# KiCad board E-Fidget V3.kicad_pcb
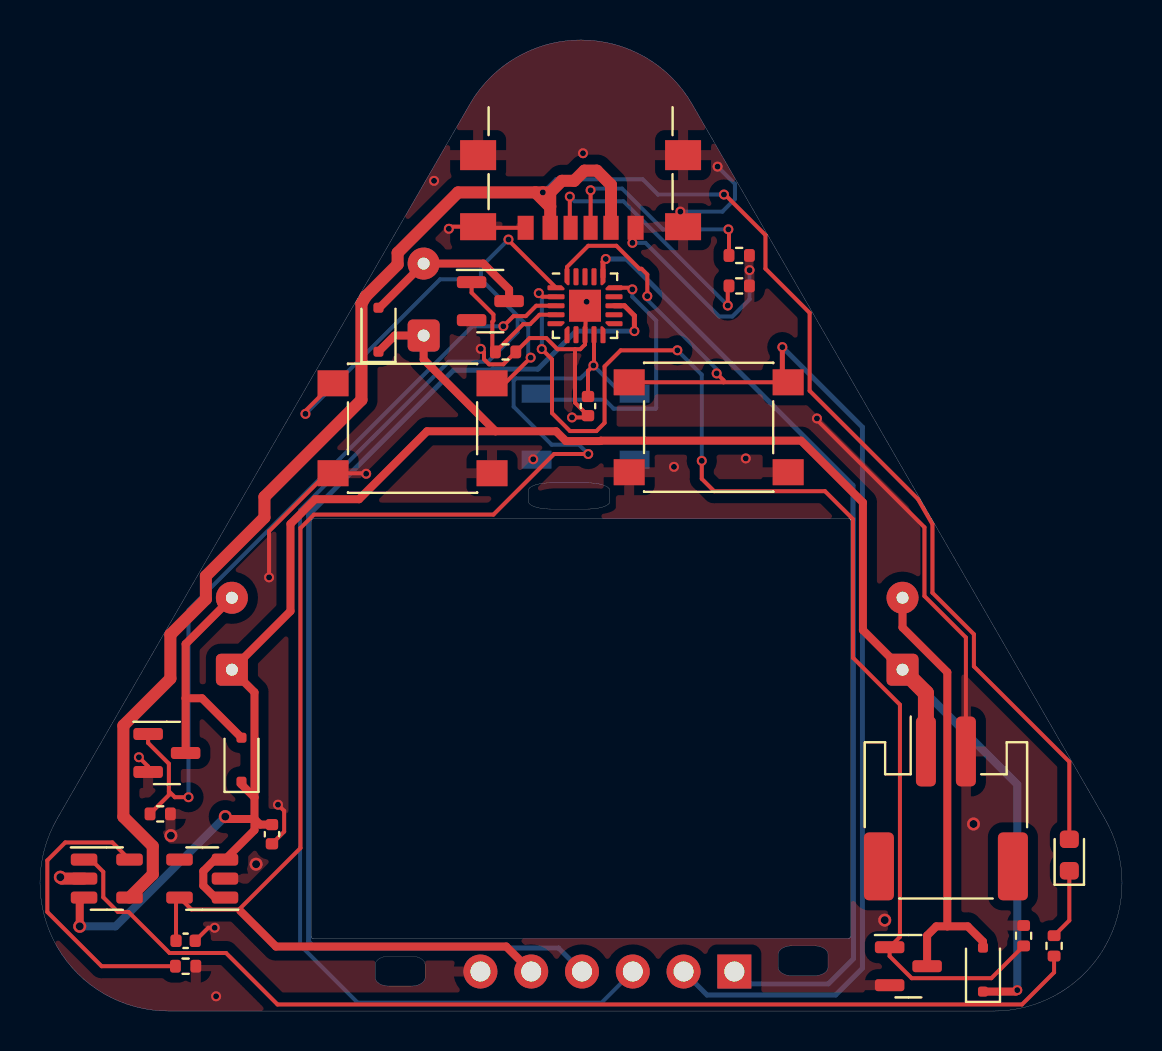
[diagram p0: board, top side]
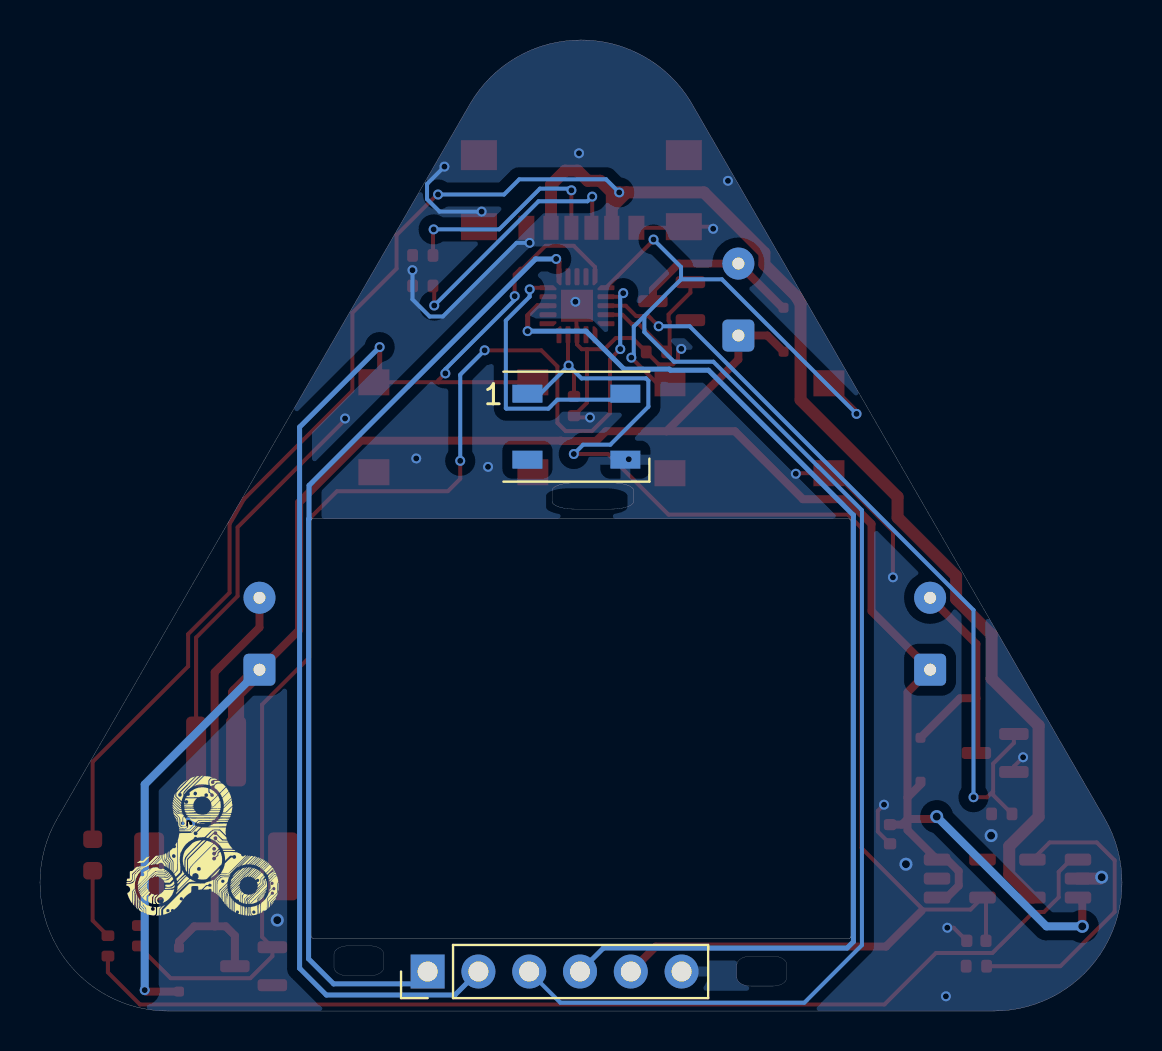
[diagram p1: board, bottom side, seen from below]

Outline 54.11 x 48.58 mm; copper layers: Top, Bottom. Coordinates in mm from the lower left corner of the outline.
Outline path: 0,6.42 0.01,6.83 0.05,7.25 0.12,7.66 0.21,8.06 0.34,8.47 0.48,8.86 0.66,9.25 0.86,9.62 5.62,17.88 21.5,45.38 21.61,45.56 21.73,45.74 21.85,45.91 21.97,46.08 22.11,46.25 22.24,46.41 22.38,46.56 22.53,46.71 22.68,46.86 22.83,47 22.99,47.13 23.16,47.26 23.32,47.39 23.5,47.5 23.67,47.62 23.85,47.72 24.03,47.82 24.21,47.92 24.4,48.01 24.59,48.09 24.79,48.17 24.98,48.24 25.18,48.3 25.38,48.36 25.59,48.41 25.79,48.46 26,48.5 26.21,48.53 26.42,48.55 26.63,48.57 26.84,48.58 27.06,48.58 27.48,48.57 27.91,48.53 28.32,48.46 28.73,48.36 29.13,48.24 29.52,48.09 29.9,47.92 30.27,47.72 30.62,47.5 30.96,47.26 31.28,47 31.58,46.71 31.87,46.41 32.14,46.08 32.39,45.74 32.61,45.38 37.38,37.13 53.25,9.63 53.46,9.25 53.63,8.86 53.78,8.47 53.9,8.06 53.99,7.66 54.06,7.25 54.1,6.83 54.11,6.42 54.1,6 54.06,5.59 53.99,5.18 53.9,4.77 53.78,4.37 53.63,3.97 53.46,3.59 53.25,3.21 53.14,3.02 53.03,2.85 52.91,2.67 52.78,2.5 52.65,2.34 52.51,2.18 52.37,2.02 52.22,1.87 52.07,1.72 51.92,1.58 51.76,1.45 51.6,1.32 51.43,1.2 51.26,1.08 51.08,0.97 50.91,0.86 50.72,0.76 50.54,0.66 50.35,0.57 50.16,0.49 49.97,0.41 49.77,0.34 49.57,0.28 49.37,0.22 49.17,0.17 48.96,0.13 48.76,0.09 48.55,0.06 48.34,0.03 48.12,0.01 47.91,0 47.7,0 38.17,0 6.42,0 5.99,0.01 5.57,0.06 5.15,0.13 4.74,0.22 4.34,0.34 3.95,0.49 3.57,0.66 3.21,0.86 2.86,1.08 2.52,1.32 2.19,1.58 1.89,1.87 1.6,2.18 1.33,2.5 1.09,2.85 0.86,3.21 0.66,3.59 0.48,3.97 0.34,4.37 0.21,4.77 0.12,5.18 0.05,5.59 0.01,6 0,6.42 ; 13.56,24.5 13.56,24.52 13.56,24.54 13.57,24.55 13.58,24.57 13.59,24.59 13.61,24.6 13.62,24.61 13.64,24.62 13.66,24.63 13.67,24.63 13.69,24.63 40.45,24.63 40.47,24.63 40.49,24.62 40.51,24.61 40.53,24.6 40.54,24.58 40.55,24.57 40.55,24.55 40.56,24.53 40.56,3.77 40.56,3.75 40.55,3.73 40.54,3.71 40.53,3.69 40.52,3.68 40.51,3.66 40.49,3.65 40.47,3.64 40.46,3.64 40.44,3.63 40.42,3.63 13.66,3.63 13.64,3.63 13.62,3.64 13.6,3.65 13.59,3.66 13.57,3.68 13.57,3.7 13.56,3.72 13.56,3.74 13.56,24.5 ; 16.77,2.32 16.77,2.34 16.77,2.36 16.77,2.38 16.78,2.4 16.79,2.42 16.8,2.44 16.81,2.46 16.82,2.48 16.83,2.5 16.85,2.52 16.87,2.54 16.88,2.56 16.9,2.57 16.92,2.59 16.95,2.6 16.97,2.62 16.99,2.63 17.02,2.65 17.04,2.66 17.07,2.67 17.1,2.68 17.13,2.69 17.16,2.7 17.19,2.71 17.22,2.72 17.25,2.72 17.28,2.73 17.31,2.73 17.35,2.74 17.38,2.74 17.42,2.74 17.45,2.74 18.57,2.74 18.64,2.74 18.71,2.73 18.78,2.72 18.84,2.71 18.9,2.69 18.96,2.67 19.01,2.65 19.06,2.62 19.1,2.59 19.14,2.56 19.18,2.52 19.19,2.5 19.21,2.48 19.22,2.46 19.23,2.44 19.24,2.42 19.25,2.4 19.25,2.38 19.26,2.36 19.26,2.34 19.26,2.32 19.26,1.68 19.26,1.66 19.26,1.63 19.25,1.61 19.25,1.59 19.24,1.57 19.23,1.55 19.22,1.53 19.21,1.51 19.19,1.49 19.18,1.47 19.16,1.46 19.14,1.44 19.12,1.42 19.1,1.41 19.08,1.39 19.06,1.38 19.04,1.36 19.01,1.35 18.98,1.34 18.96,1.32 18.93,1.31 18.9,1.3 18.87,1.29 18.84,1.28 18.81,1.28 18.78,1.27 18.75,1.26 18.71,1.26 18.68,1.26 18.64,1.25 18.61,1.25 18.57,1.25 17.45,1.25 17.38,1.25 17.31,1.26 17.25,1.27 17.19,1.28 17.13,1.3 17.07,1.32 17.02,1.35 16.97,1.38 16.92,1.41 16.88,1.44 16.85,1.47 16.83,1.49 16.82,1.51 16.81,1.53 16.8,1.55 16.79,1.57 16.78,1.59 16.77,1.61 16.77,1.63 16.77,1.66 16.77,1.68 16.77,2.32 ; 24.43,26.05 24.43,26.07 24.43,26.09 24.44,26.11 24.45,26.13 24.46,26.15 24.48,26.16 24.5,26.18 24.52,26.2 24.54,26.21 24.56,26.23 24.59,26.25 24.62,26.26 24.65,26.28 24.68,26.29 24.72,26.3 24.76,26.32 24.8,26.33 24.84,26.34 24.88,26.35 24.92,26.36 24.97,26.37 25.01,26.38 25.11,26.4 25.21,26.41 25.32,26.42 25.43,26.42 25.55,26.43 27.37,26.43 27.49,26.42 27.6,26.42 27.71,26.41 27.81,26.4 27.91,26.38 28,26.36 28.09,26.34 28.17,26.32 28.24,26.29 28.3,26.26 28.36,26.23 28.4,26.2 28.44,26.16 28.46,26.15 28.47,26.13 28.48,26.11 28.49,26.09 28.49,26.07 28.49,26.05 28.49,25.49 28.49,25.47 28.49,25.45 28.48,25.43 28.47,25.41 28.46,25.4 28.44,25.38 28.42,25.36 28.4,25.34 28.38,25.33 28.36,25.31 28.33,25.3 28.3,25.28 28.27,25.27 28.24,25.25 28.2,25.24 28.17,25.22 28.13,25.21 28.09,25.2 28.04,25.19 28,25.18 27.95,25.17 27.91,25.16 27.81,25.14 27.71,25.13 27.6,25.12 27.49,25.12 27.37,25.11 25.55,25.11 25.43,25.12 25.32,25.12 25.21,25.13 25.11,25.14 25.01,25.16 24.92,25.18 24.84,25.2 24.76,25.22 24.68,25.25 24.62,25.28 24.56,25.31 24.52,25.34 24.48,25.38 24.46,25.4 24.45,25.41 24.44,25.43 24.43,25.45 24.43,25.47 24.43,25.49 24.43,26.05 ; 36.92,2.83 36.92,2.85 36.92,2.88 36.92,2.9 36.93,2.92 36.94,2.94 36.95,2.96 36.96,2.98 36.97,3 36.98,3.02 37,3.04 37.02,3.05 37.03,3.07 37.05,3.09 37.07,3.1 37.1,3.12 37.12,3.13 37.14,3.15 37.17,3.16 37.19,3.17 37.22,3.19 37.25,3.2 37.28,3.21 37.31,3.22 37.34,3.23 37.37,3.23 37.4,3.24 37.43,3.25 37.46,3.25 37.5,3.25 37.53,3.26 37.57,3.26 37.6,3.26 38.72,3.26 38.79,3.26 38.86,3.25 38.93,3.24 38.99,3.23 39.05,3.21 39.11,3.19 39.16,3.16 39.21,3.13 39.25,3.1 39.29,3.07 39.33,3.04 39.34,3.02 39.36,3 39.37,2.98 39.38,2.96 39.39,2.94 39.4,2.92 39.4,2.9 39.41,2.88 39.41,2.85 39.41,2.83 39.41,2.19 39.41,2.17 39.41,2.15 39.4,2.13 39.4,2.11 39.39,2.09 39.38,2.07 39.37,2.05 39.36,2.03 39.34,2.01 39.33,1.99 39.31,1.97 39.29,1.95 39.27,1.94 39.25,1.92 39.23,1.91 39.21,1.89 39.19,1.88 39.16,1.86 39.13,1.85 39.11,1.84 39.08,1.83 39.05,1.82 39.02,1.81 38.99,1.8 38.96,1.79 38.93,1.79 38.9,1.78 38.86,1.78 38.83,1.77 38.79,1.77 38.76,1.77 38.72,1.77 37.6,1.77 37.53,1.77 37.46,1.78 37.4,1.79 37.34,1.8 37.28,1.82 37.22,1.84 37.17,1.86 37.12,1.89 37.07,1.92 37.03,1.95 37,1.99 36.98,2.01 36.97,2.03 36.96,2.05 36.95,2.07 36.94,2.09 36.93,2.11 36.92,2.13 36.92,2.15 36.92,2.17 36.92,2.19 36.92,2.83
Stack: Top 0.035mm / dielectric 1.51mm FR4 er 4.5 / Bottom 0.035mm

## Placement (name value [footprint] x y rotation side)
BT1  WAFER-PH2.0-2PWB  [JST_PH_S2B-PH-SM4-TB_1x02-1MP_P2.00mm_Horizontal]  45.31 10.14 0 top
C1  1u  [C_0402_1005Metric]  7.28 3.51 0 top
C2  10u  [C_0402_1005Metric]  11.6 8.85 270 top
C3  0.1u  [C_0402_1005Metric]  27.41 30.27 270 top
D1  ORANGE  [LED_0603_1608Metric]  51.48 7.81 90 top
D2  WS2812B  [LED_WS2812B_PLCC4_5.0x5.0mm_P3.2mm]  27.29 29.24 180 bottom
D3  BAT54J  [D_SOD-323F]  16.93 34.09 90 top
D4  BAT54J  [D_SOD-323F]  10.08 12.57 90 top
D5  BAT54J  [D_SOD-323F]  47.16 2.07 90 top
J1  USB_C_Receptacle_PowerOnly_6P  [USB_C_Receptacle_GCT_USB4135-GF-A_6P_TopMnt_Horizontal]  27.04 42.22 180 top
J2  Conn_02x03_Counter_Clockwise  [PinHeader_1x06_P2.54mm_Vertical]  34.73 1.98 90 bottom
M1  Motor_DC  [SolderWire-0.1sqmm_1x02_P3.6mm_D0.4mm_OD1mm]  19.19 33.8 90 top
M2  Motor_DC  [SolderWire-0.1sqmm_1x02_P3.6mm_D0.4mm_OD1mm]  9.6 17.08 90 top
M3  Motor_DC  [SolderWire-0.1sqmm_1x02_P3.6mm_D0.4mm_OD1mm]  43.14 17.08 90 top
Q1  DMG2302U  [SOT-23]  22.52 35.52 0 top
Q2  DMG2302U  [SOT-23]  6.35 12.91 0 top
Q3  DMG2302U  [SOT-23]  43.43 2.24 0 top
R1  10k  [R_0402_1005Metric]  7.28 2.24 0 top
R2  1k  [R_0402_1005Metric]  50.72 3.26 90 top
R3  5.1k  [R_0402_1005Metric]  34.97 37.8 180 top
R4  5.1k  [R_0402_1005Metric]  34.97 36.28 0 top
R5  10k  [R_0402_1005Metric]  23.28 32.98 0 top
R6  10k  [R_0402_1005Metric]  6.01 9.86 0 top
R7  10k  [R_0402_1005Metric]  49.19 3.77 90 top
SW1  SW_Push  [SW_Push_1P1T_NO_6x6mm_H9.5mm]  18.63 29.16 0 top
SW2  SW_Push  [SW_Push_1P1T_NO_6x6mm_H9.5mm]  33.44 29.21 0 top
U1  MCP73831-2-OT  [SOT-23-5]  3.34 6.63 0 top
U2  TC1185-xCT  [SOT-23-5]  8.11 6.63 180 top
U3  ATtiny841-MM  [QFN-20-1EP_3x3mm_P0.45mm_EP1.6x1.6mm]  27.26 35.29 0 top

## Library data of the parts
BT1 = -: Description: Multiple-cell battery
C1-C3 = -: Description: Unpolarized capacitor, small symbol
D1 = -: Description: Light emitting diode, small symbol
D2 = -: Description: RGB LED with integrated controller
D3-D5 = -: Description: 30V 200mA Schottky diode, SOD-323F
J1 = -: Description: USB Power-Only 6P Type-C Receptacle connector
J2 = -: Description: Generic connector, single row, 01x06, script generated (kicad-library-utils/schlib/autogen/connector/)
M1-M3 = -: Description: DC Motor
Q1-Q3 = -: Description: 4.2A Id, 20V Vds, N-Channel MOSFET, SOT-23
R1-R7 = -: Description: Resistor, small symbol
SW1 SW2 = -: Description: Push button switch, generic, two pins
U1 = -: Description: Single cell, Li-Ion/Li-Po charge management controller, 4.20V, Tri-State Status Output, in SOT23-5 package
U2 = -: Description: 150 mA CMOS LDOs with Shutdown and Reference Bypass, SOT-23-5
U3 = -: Description: 16MHz, 8kB Flash, 512B SRAM, 512B EEPROM, ADC, ACI, debugWIRE, QFN-20

## Footprints (pads in the part's own frame, mm; a bottom-side part is the same pattern mirrored in y, then rotated)
C_0402_1005Metric
  rrect 0.56x0.62 smd: 1(-0.48,0) 2(0.48,0)
D_SOD-323F
  rrect 0.5x0.5 smd: 1(-1.1,0) 2(1.1,0)
JST_PH_S2B-PH-SM4-TB_1x02-1MP_P2.00mm_Horizontal
  rrect 1x3.5 smd: 1(-1,2.85) 2(1,2.85)
  rrect 1.5x3.4 smd: MP(-3.35,-2.9) MP(3.35,-2.9)
LED_0603_1608Metric
  rrect 0.875x0.95 smd: 1(-0.787,0) 2(0.787,0)
LED_WS2812B_PLCC4_5.0x5.0mm_P3.2mm
  rect 1.5x0.9 smd: 1(-2.45,1.65) 2(-2.45,-1.65) 3(2.45,-1.65) 4(2.45,1.65)
PinHeader_1x06_P2.54mm_Vertical
  rect 1.7x1.7 hole 1: 1(0,0)
  oval 1.7x1.7 hole 1: 2(0,-2.54) 3(0,-5.08) 4(0,-7.62) 5(0,-10.16) 6(0,-12.7)
QFN-20-1EP_3x3mm_P0.45mm_EP1.6x1.6mm
  rrect 0.64x0.64 smd: (-0.4,0.4) (-0.4,-0.4) (0.4,0.4) (0.4,-0.4)
  custom 0.85x0.25 smd: 1(-1.45,0.9) 5(-1.45,-0.9) 11(1.45,-0.9) 15(1.45,0.9)
  rrect 0.85x0.25 smd: 2(-1.45,0.45) 3(-1.45,0) 4(-1.45,-0.45) 12(1.45,-0.45) 13(1.45,0) 14(1.45,0.45)
  custom 0.25x0.85 smd: 6(-0.9,-1.45) 10(0.9,-1.45) 16(0.9,1.45) 20(-0.9,1.45)
  rrect 0.25x0.85 smd: 7(-0.45,-1.45) 8(0,-1.45) 9(0.45,-1.45) 17(0.45,1.45) 18(0,1.45) 19(-0.45,1.45)
  rect 1.6x1.6 smd: 21(0,0)
R_0402_1005Metric
  rrect 0.54x0.64 smd: 1(-0.51,0) 2(0.51,0)
SolderWire-0.1sqmm_1x02_P3.6mm_D0.4mm_OD1mm
  rrect 1.6x1.6 hole 0.6: 1(0,0)
  round 1.6 hole 0.6: 2(3.6,0)
SOT-23
  rrect 1.475x0.6 smd: 1(-0.938,0.95) 2(-0.938,-0.95) 3(0.938,0)
SOT-23-5
  rrect 1.325x0.6 smd: 1(-1.137,0.95) 2(-1.137,0) 3(-1.137,-0.95) 4(1.137,-0.95) 5(1.137,0.95)
SW_Push_1P1T_NO_6x6mm_H9.5mm
  rect 1.55x1.3 smd: 1(-3.975,2.25) 1(3.975,2.25) 2(-3.975,-2.25) 2(3.975,-2.25)
USB_C_Receptacle_GCT_USB4135-GF-A_6P_TopMnt_Horizontal
  rect 0.7x1.2 smd: A5(-0.5,3.033) B5(0.5,3.033)
  rect 0.76x1.2 smd: A9(1.52,3.033) B9(-1.52,3.033)
  rect 0.8x1.2 smd: A12(2.75,3.033) B12(-2.75,3.033)
  rect 1.8x1.35 smd: S1(-5.125,2.978) S1(5.125,2.978)
  rect 1.8x1.5 smd: S1(-5.125,-0.603) S1(5.125,-0.603)

## Nets
+5V: C1.1 C3.1 D2.1 J2.5 U2.5 U3.9
GND: BT1.2 C1.2 C2.2 C3.2 D2.3 J1.A12 J1.B12 J1.S1 J2.6 Q1.2 Q2.2 Q3.2 R1.2 R3.1 R4.2 R5.2 R6.2 R7.2 SW1.2 SW2.2 U1.2 U2.2 U3.8 U3.21
VBUS: D1.2 J1.A9 J1.B9 U1.4
+BATT: BT1.1 C2.1 D3.1 D4.1 D5.1 M1.1 M2.1 M3.1 U1.3 U2.1 U2.3
/M1: Q1.1 R5.1 U3.4
/M2: Q2.1 R6.1 U3.3
/M3: Q3.1 R7.1 U3.2
/MISO: J2.2 SW2.1 U3.20
/MOSI: J2.1 U3.16
/RESET: J2.4 U3.13
/SCK: J2.3 SW1.1 U3.1
Net-(D1-K): D1.1 R2.2
Net-(D2-DIN): D2.4 U3.15
Net-(D3-A): D3.2 M1.2 Q1.3
Net-(D4-A): D4.2 M2.2 Q2.3
Net-(D5-A): D5.2 M3.2 Q3.3
Net-(J1-CC1): J1.A5 R3.2
Net-(J1-CC2): J1.B5 R4.1
Net-(U1-PROG): R1.1 U1.5
Net-(U1-STAT): R2.1 U1.1

Pads without a net: BT1 MP; D2 2; U2 4; U3 5 6 7 10 11 12 14 17 18 19

## Via types
v1: diameter 0.65, hole 0.4, Top to Bottom, 7 vias
v2: diameter 0.5, hole 0.3, Top to Bottom, 44 vias

## Routing (per net, layer and track width the routed paths; a pad name or vN(x,y) marks a point on that pad's centre or on a via; arc(x,y) is an arc through that point)
+5V: length 72.8
  Top w0.2: U2.5 7.58,5.08 9.95,5.08 13.03,8.15 13.03,24.16 13.7,24.84 22.68,24.84 25.71,27.87 v2(27.42,27.87) ; C3.1 27.41,32.03 v2(27.68,32.3) 27.71,32.33 U3.9 ; C1.1 6.8,5.5
  Top w0.4: 10.02,5.01 11.8,3.23 23.32,3.23 J2.5
  Bottom w0.2: v2(27.42,27.87) 26.95,28.34 25.59,28.34 23.69,30.24 23.69,31.54 23.8,31.65 27.03,31.65 v2(27.68,32.3) 29.09,30.89
GND: length 65.2
  Top w0.2: J1.A12 21.97,39.19 ; v2(29.63,38.43) 29.63,39.03 ; 26.76,33.11 26.76,30.44 C3.2 ; 26.76,33.11 27.02,33.11 27.26,33.35 U3.8 v2(27.34,35.49) ; 26.76,33.11 25.88,33.11 25.32,33.67 24.49,33.67 R5.2 23.17,32.36 22.46,32.36 22.2,32.61 22.2,32.97 v2(22.04,33.13) ; v2(38.86,29.65) 38.86,29.58 44.23,24.2 44.23,20.76 46.31,18.69 BT1.2 ; J1.S1 20.55,39.24 v2(20.45,39.14) ; SW1.2 16.29,26.91 v2(16.31,26.88) ; v2(26.61,29.7) 27.32,29.7 ; C2.2 12.21,8.98 12.21,10.01 v2(11.9,10.32) ; Q2.2 5.41,12.24 v2(4.95,12.7) ; v2(8.74,4.17) 8.42,4.17 C1.2 ; v2(11.46,21.7) 11.46,24.01 14.36,26.91
  Top w0.6: U1.2 1.09,6.63 v1(1.02,6.7)
  Bottom w0.2: v2(33.89,42.25) 34.76,41.38 34.76,40.62 34.13,40 v2(32.03,40) ; v2(29.63,38.43) 30.28,38.43 33.97,34.75 34.62,34.75 35.49,35.61 v2(35.49,37.07)
  vias: v1(6.55,8.78) v1(10.81,7.35) v1(42.25,4.55) v1(46.69,9.36) v2(8.81,0.74) v2(19.71,41.54) v2(24.67,27.61) v2(27.16,42.92) v2(31.71,27.23) v2(35.3,27.65)
VBUS: length 105.6
  Top w0.2: 34.25,40.86 36.28,38.82 36.28,37.14 38.49,34.93 38.49,31.03 43.9,25.62 44.63,24.36 44.63,20.92 46.71,18.85 46.71,17.24 51.48,12.47 D1.2
  Top w0.6: U1.4 5.64,6.84 5.64,8.25 4.17,9.72 4.17,14.28 6.52,16.63 6.52,18.83 8.3,20.61 8.3,21.76 11.22,24.69 11.22,25.72 16.08,30.58 16.08,35.38 16.29,35.76 17.89,37.35 17.89,37.94 20.91,40.96 24.78,40.96 ; 24.78,40.96 v2(25.15,40.96) 25.52,40.96 ; 24.78,40.96 25.48,40.26 25.52,40.26 ; 25.52,40.26 J1.A9 ; 25.52,40.26 25.52,40.96 ; J1.B9 28.56,41.34 27.85,42.05 27.23,42.05 26.72,41.54 26.1,41.54 25.52,40.96
  Bottom w0.2: v2(25.15,40.96) 25.8,41.61 30.14,41.61 30.9,40.85 v2(34.21,40.85)
+BATT: length 111.9
  Top w0.4: D3.1 17.74,33.8 M1.1 19.19,32.6 22.78,29.01 ; v1(1.99,4.24) 1.99,5.46 U1.3 ; 22.78,29.01 19.36,29.01 15.96,25.61 13.76,25.61 12.53,24.37 12.53,20.01 M2.1 10.73,15.95 10.73,10.69 ; 22.78,29.01 25.81,29.01 26.3,28.52 28.03,28.52 28.05,28.54 38.06,28.54 41.16,25.44 41.16,19.06 M3.1 ; U2.1 8.76,5.68 8.17,6.27 8.17,7 8.75,7.58 U2.3 10.73,9.05 10.73,9.61 ; D5.1 48.8,0.97 v2(48.88,1.05) ; 10.73,10.69 10.73,9.61 ; 10.73,10.69 10.08,11.34 D4.1 ; 10.73,9.61 11.01,9.33 C2.1 ; 10.73,9.61 9.39,9.61 v1(9.27,9.73)
  Top w0.8: M3.1 44.31,15.91 BT1.1
  Bottom w0.4: M3.1 48.88,11.34 v2(48.88,1.05) ; v1(1.99,4.24) 3.78,4.24 v1(9.27,9.73)
/M1: length 7.6
  Top w0.2: R5.1 24.17,34.37 24.51,34.37 24.98,34.84 U3.4 ; 22.62,33.13 22.62,34.49 22.68,34.54 22.68,34.85 21.59,35.94 Q1.1
/M2: length 40
  Top w0.2: v2(7.43,10.7) 6.75,10.7 6.45,11 ; v2(23.17,34.26) 23.68,34.77 24.3,34.77 24.82,35.29 U3.3 ; R6.1 6.45,10.81 6.45,12.37 5.41,13.41 Q2.1
  Bottom w0.2: v2(7.43,10.7) 7.43,20.06 21.62,34.26 v2(23.17,34.26)
/M3: length 63.4
  Top w0.2: v2(25.09,33.12) 25.61,32.6 25.61,29.92 26.51,29.02 27.83,29.02 28.24,29.43 28.24,32.25 29.04,33.06 v2(31.88,33.06) ; U3.2 25.13,35.74 v2(24.95,35.92) ; v2(33.1,27.53) 33.1,26.63 33.72,26.01 39.26,26.01 40.66,24.61 40.66,17.68 43.01,15.33 43.01,3.71 Q3.1 42.49,2.74 43.59,1.64 47.58,1.64 R7.1
  Bottom w0.2: v2(24.95,35.92) 25.1,35.77 25.1,33.12 v2(25.09,33.12) ; v2(33.1,27.53) 33.1,31.84 v2(31.88,33.06)
/MISO: length 64.7
  Top w0.2: v2(30.37,35.77) 30.37,36.85 30.09,37.14 29.98,37.14 28.83,38.29 27.42,38.29 26.36,37.22 U3.20 ; 34.19,31.46 34.19,31.55 v2(33.84,31.9) ; 34.19,31.46 SW2.1 ; 34.19,31.46 SW2.1
  Top w0.25: v2(37.13,33.22) 37.13,31.75
  Bottom w0.2: v2(30.37,35.77) 30.37,35.58 33.84,32.11 v2(33.84,31.9)
  Bottom w0.25: v2(37.13,33.22) 41.13,29.21 41.13,2.14 39.79,0.8 33.36,0.8 J2.2
/MOSI: length 47.6
  Top w0.25: U3.16 28.16,37.49 v2(28.3,37.63)
  Bottom w0.25: 35.35,1.36 39.43,1.36 40.68,2.61 40.68,24.61 40.66,24.63 40.66,26.3 29.33,37.63 v2(28.3,37.63)
/RESET: length 57.7
  Top w0.25: U3.13 29.23,35.29 29.73,34.79 v2(29.73,34.02)
  Bottom w0.25: J2.4 25.93,3.15 13.75,3.15 13.43,3.47 13.43,24.81 20.68,32.06 22.58,32.06 22.64,32.12 24.9,32.12 26.8,34.02 v2(29.73,34.02)
/SCK: length 82
  Top w0.2: SW1.1 13.28,30.03 v2(13.28,29.88) ; 23.26,31.41 v2(24.54,32.69) ; v2(23.43,38.6) 23.43,38.56 U3.1
  Bottom w0.2: 23.89,34.78 23.89,33.97 22.41,32.49 20.44,32.49 13.01,25.06 13.01,3.3 15.89,0.42 28.09,0.42 J2.3 ; 23.89,34.78 22.05,36.61 ; 23.89,34.78 24.42,34.24 24.42,32.81 v2(24.54,32.69) ; v2(13.28,29.88) 20.01,36.61 22.05,36.61 ; 22.05,36.61 22.05,37.22 v2(23.43,38.6)
Net-(D1-K): length 3.6
  Top w0.2: R2.2 51.48,4.53 D1.1
Net-(D2-DIN): length 13
  Top w0.2: U3.15 29.54,36.19 v2(29.62,36.11)
  Bottom w0.2: 25.44,30.59 28.24,30.59 28.69,30.14 30.79,30.14 30.82,30.17 30.82,34.55 29.62,35.74 v2(29.62,36.11)
Net-(D3-A): length 8.5
  Top w0.4: 16.98,35.19 M1.2 22.17,37.4 23.46,36.11 Q1.3
Net-(D4-A): length 12.3
  Top w0.4: 7.28,15.65 8.1,15.65 D4.2 ; 7.28,15.65 Q2.3 ; 7.28,15.65 7.28,18.36 M2.2
Net-(D5-A): length 22.5
  Top w0.4: 45.38,4.24 45.38,16.95 43.14,19.19 M3.2 ; 45.38,4.24 46.4,4.24 47.16,3.47 D5.2 ; 45.38,4.24 44.83,4.24 44.37,3.78 Q3.3
Net-(J1-CC1): length 11
  Top w0.2: J1.A5 v2(27.54,41.06) ; R3.2 34.46,39.07 v2(34.43,39.11)
  Bottom w0.2: v2(34.43,39.11) 31.15,39.11 29.11,41.15 27.62,41.15 v2(27.54,41.06)
Net-(J1-CC2): length 12.6
  Top w0.2: v2(34.4,35.3) 34.4,36.22 ; v2(26.5,40.75) 26.5,39.23
  Bottom w0.2: v2(26.5,40.75) 26.73,40.51 29.18,40.51 v2(34.4,35.3)
Net-(U1-PROG): length 14.9
  Top w0.2: R1.1 3.08,2.24 0.37,4.96 0.37,7.54 1.26,8.43 3.62,8.43 U1.5
Net-(U1-STAT): length 53.4
  Top w0.2: 2.55,7.58 3.17,6.96 3.17,5.69 3.9,4.96 4.43,4.96 6.48,2.9 9.31,2.9 11.88,0.33 49.11,0.33 50.72,1.93 R2.1

## Copper pours and planes (outline as drawn; the poured copper is in the pictures)
GND on Top, Bottom: 25.78,53.44 67.66,20.55 31.56,-31.89 -20.46,5.07
